# Altium PCB UCL-MB-802154RT-1.PcbDoc (part 1 of 3)
Units mm, origin at the board's own origin, x right, y up, seen from the top; angles counter-clockwise.
Board outline 84 x 112.5 mm, 4 copper layers (Top Layer, GND, VCC, Bottom Layer), stack 1.536 mm thick; 160 components, 166 nets, 807 pads, 398 vias.
Unrouted connection lines stored in the file: 2.
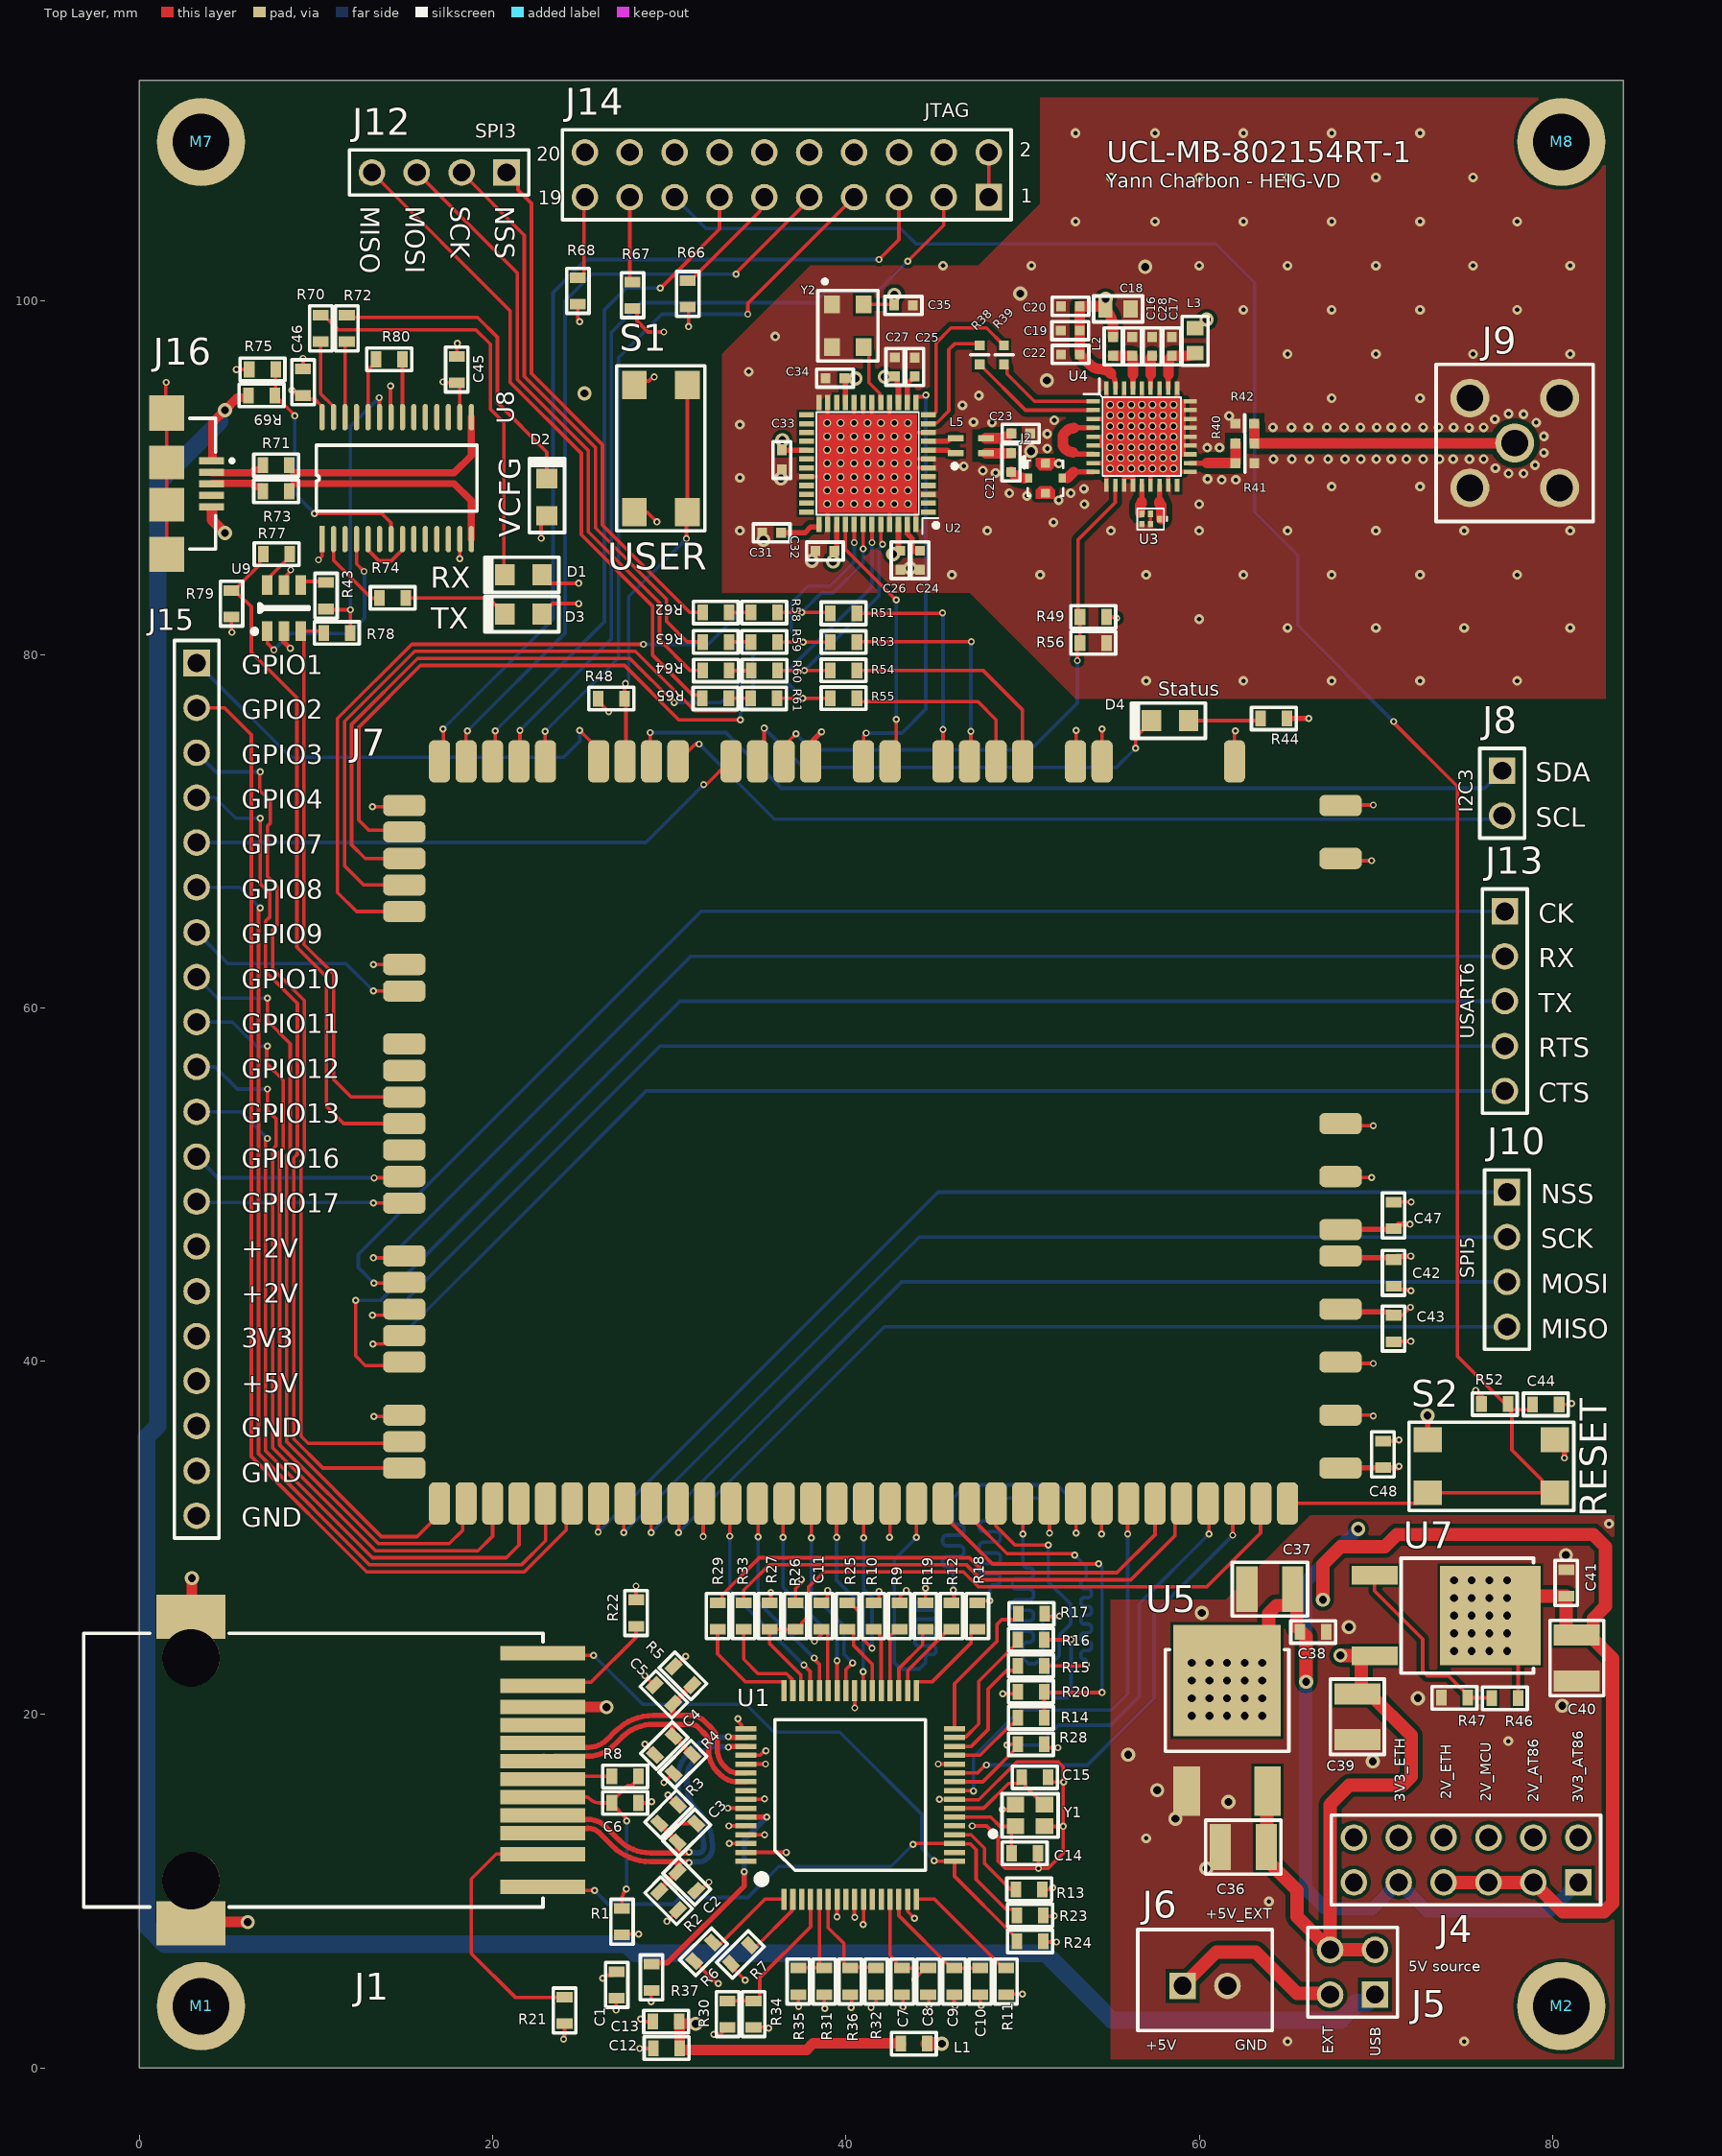
[diagram p0: Top Layer view]
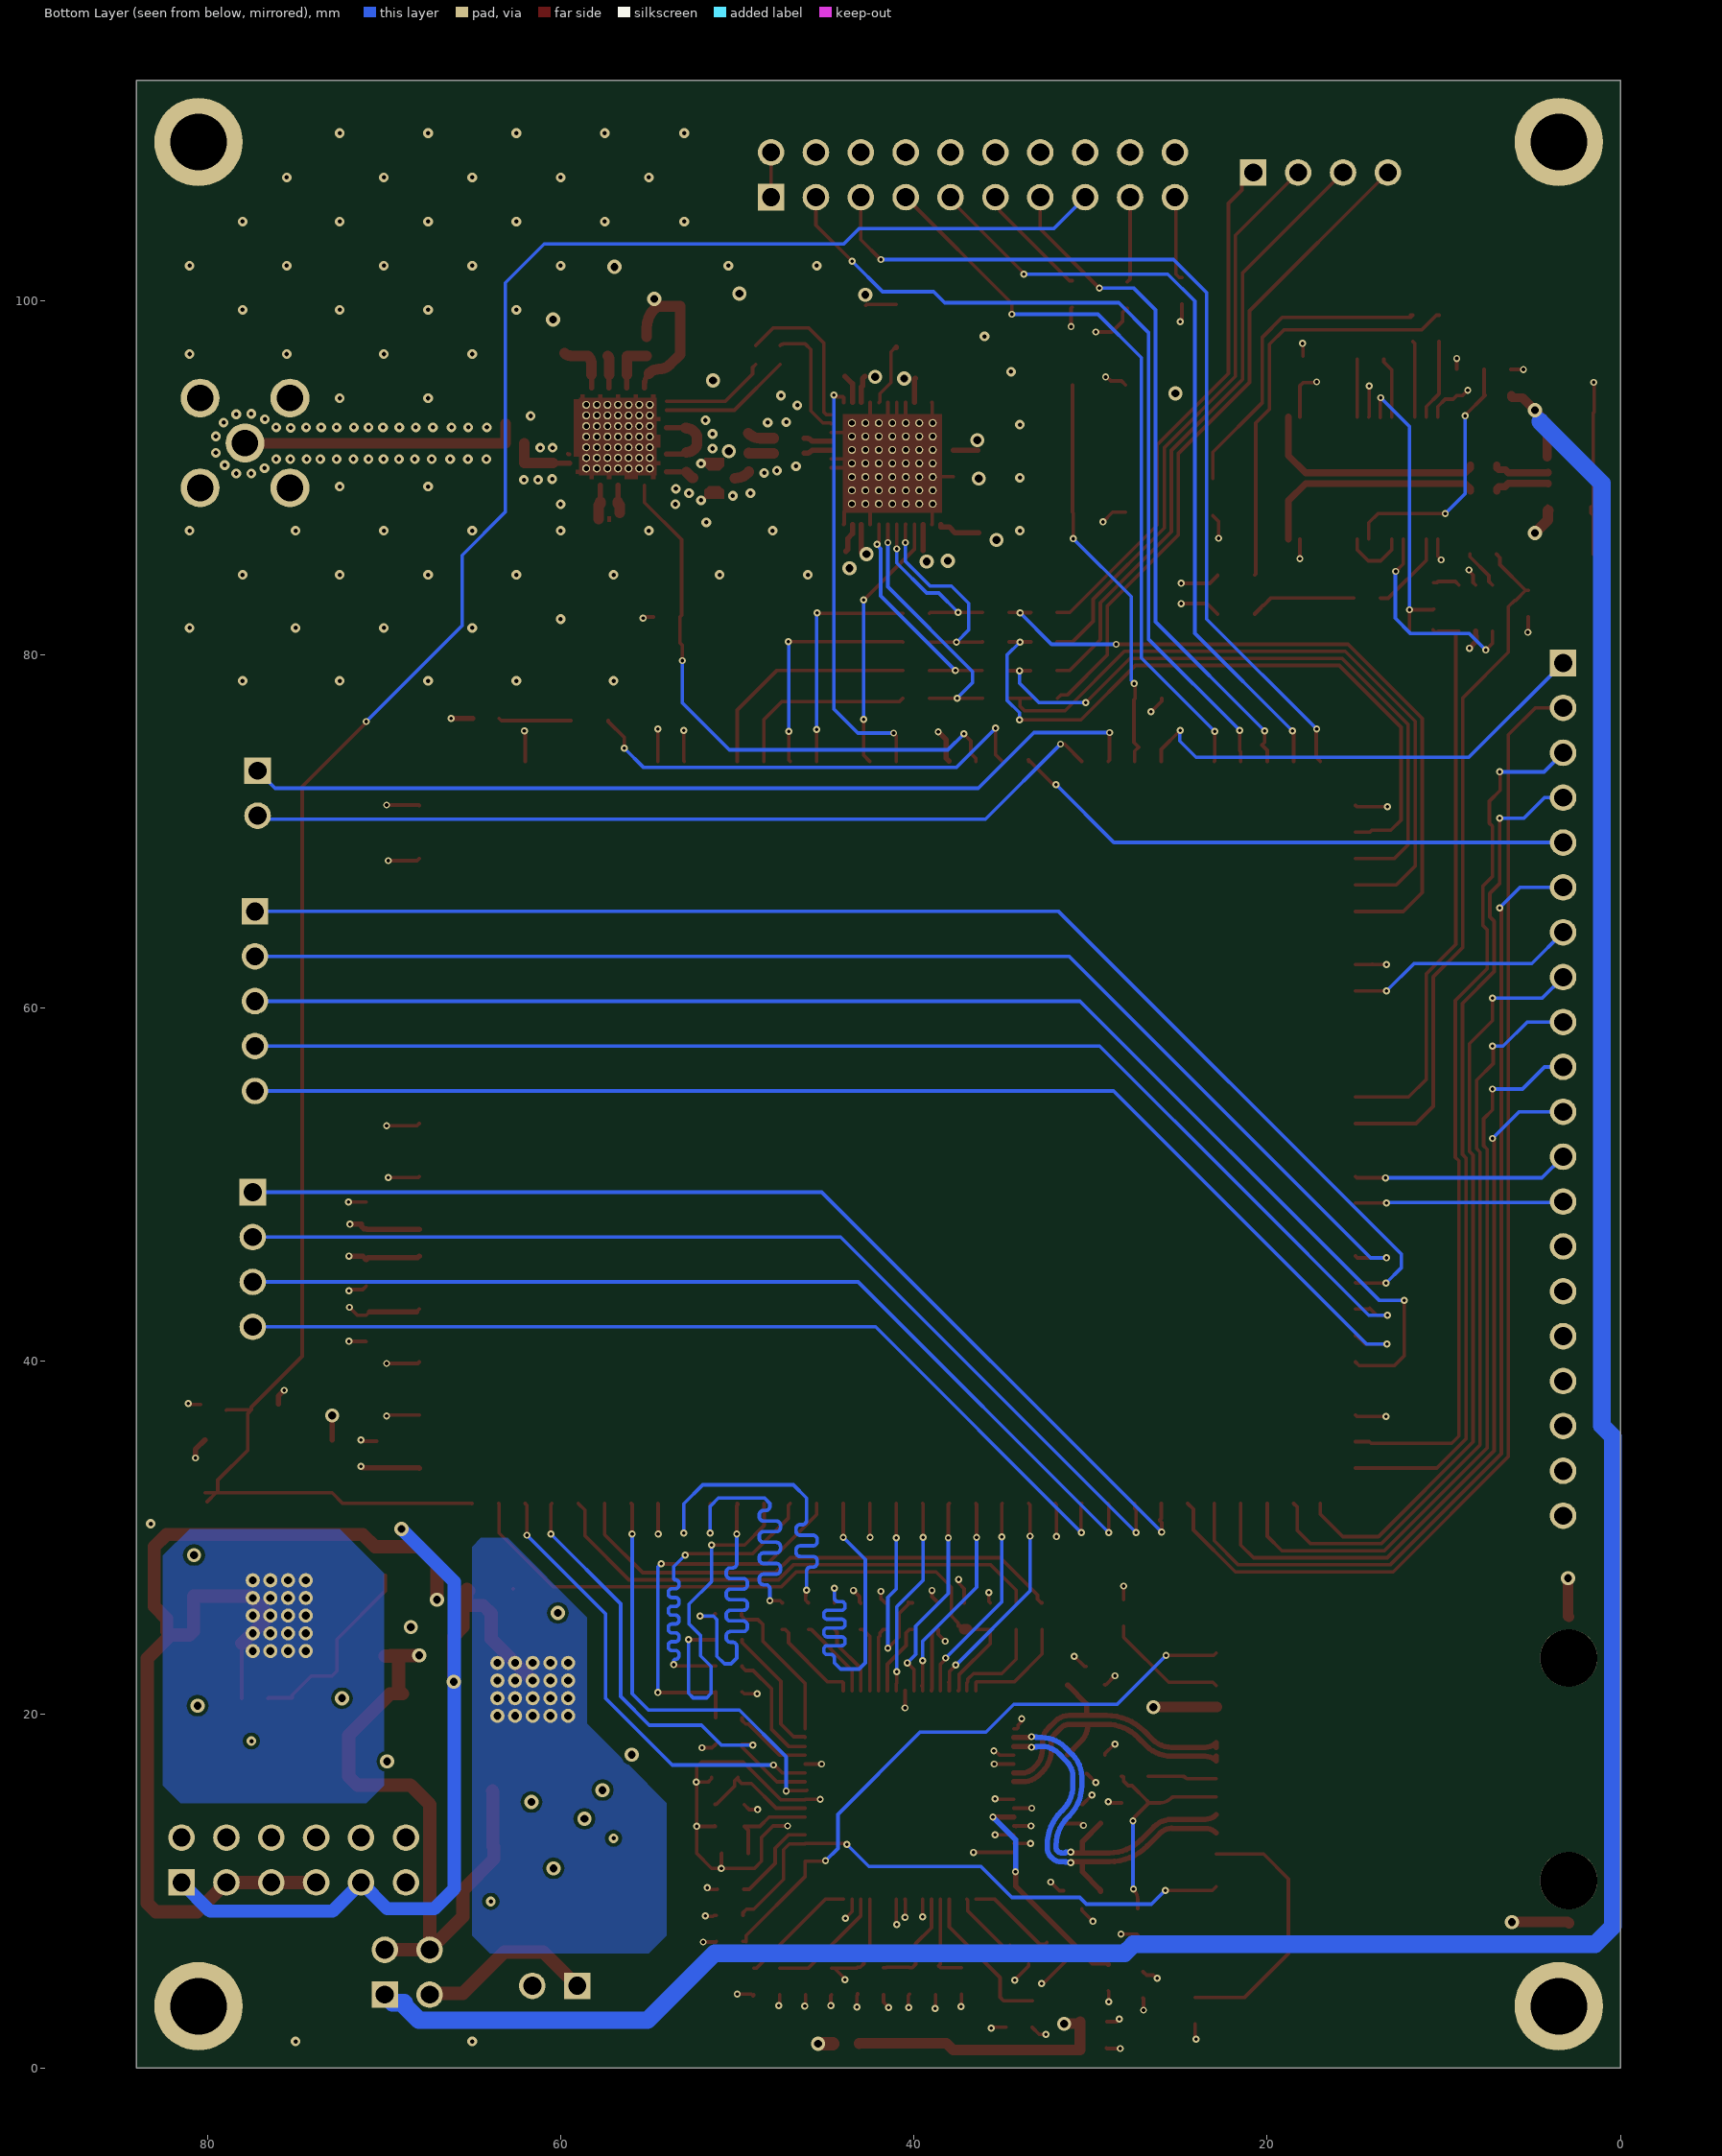
[diagram p1: Bottom Layer view, seen from below]
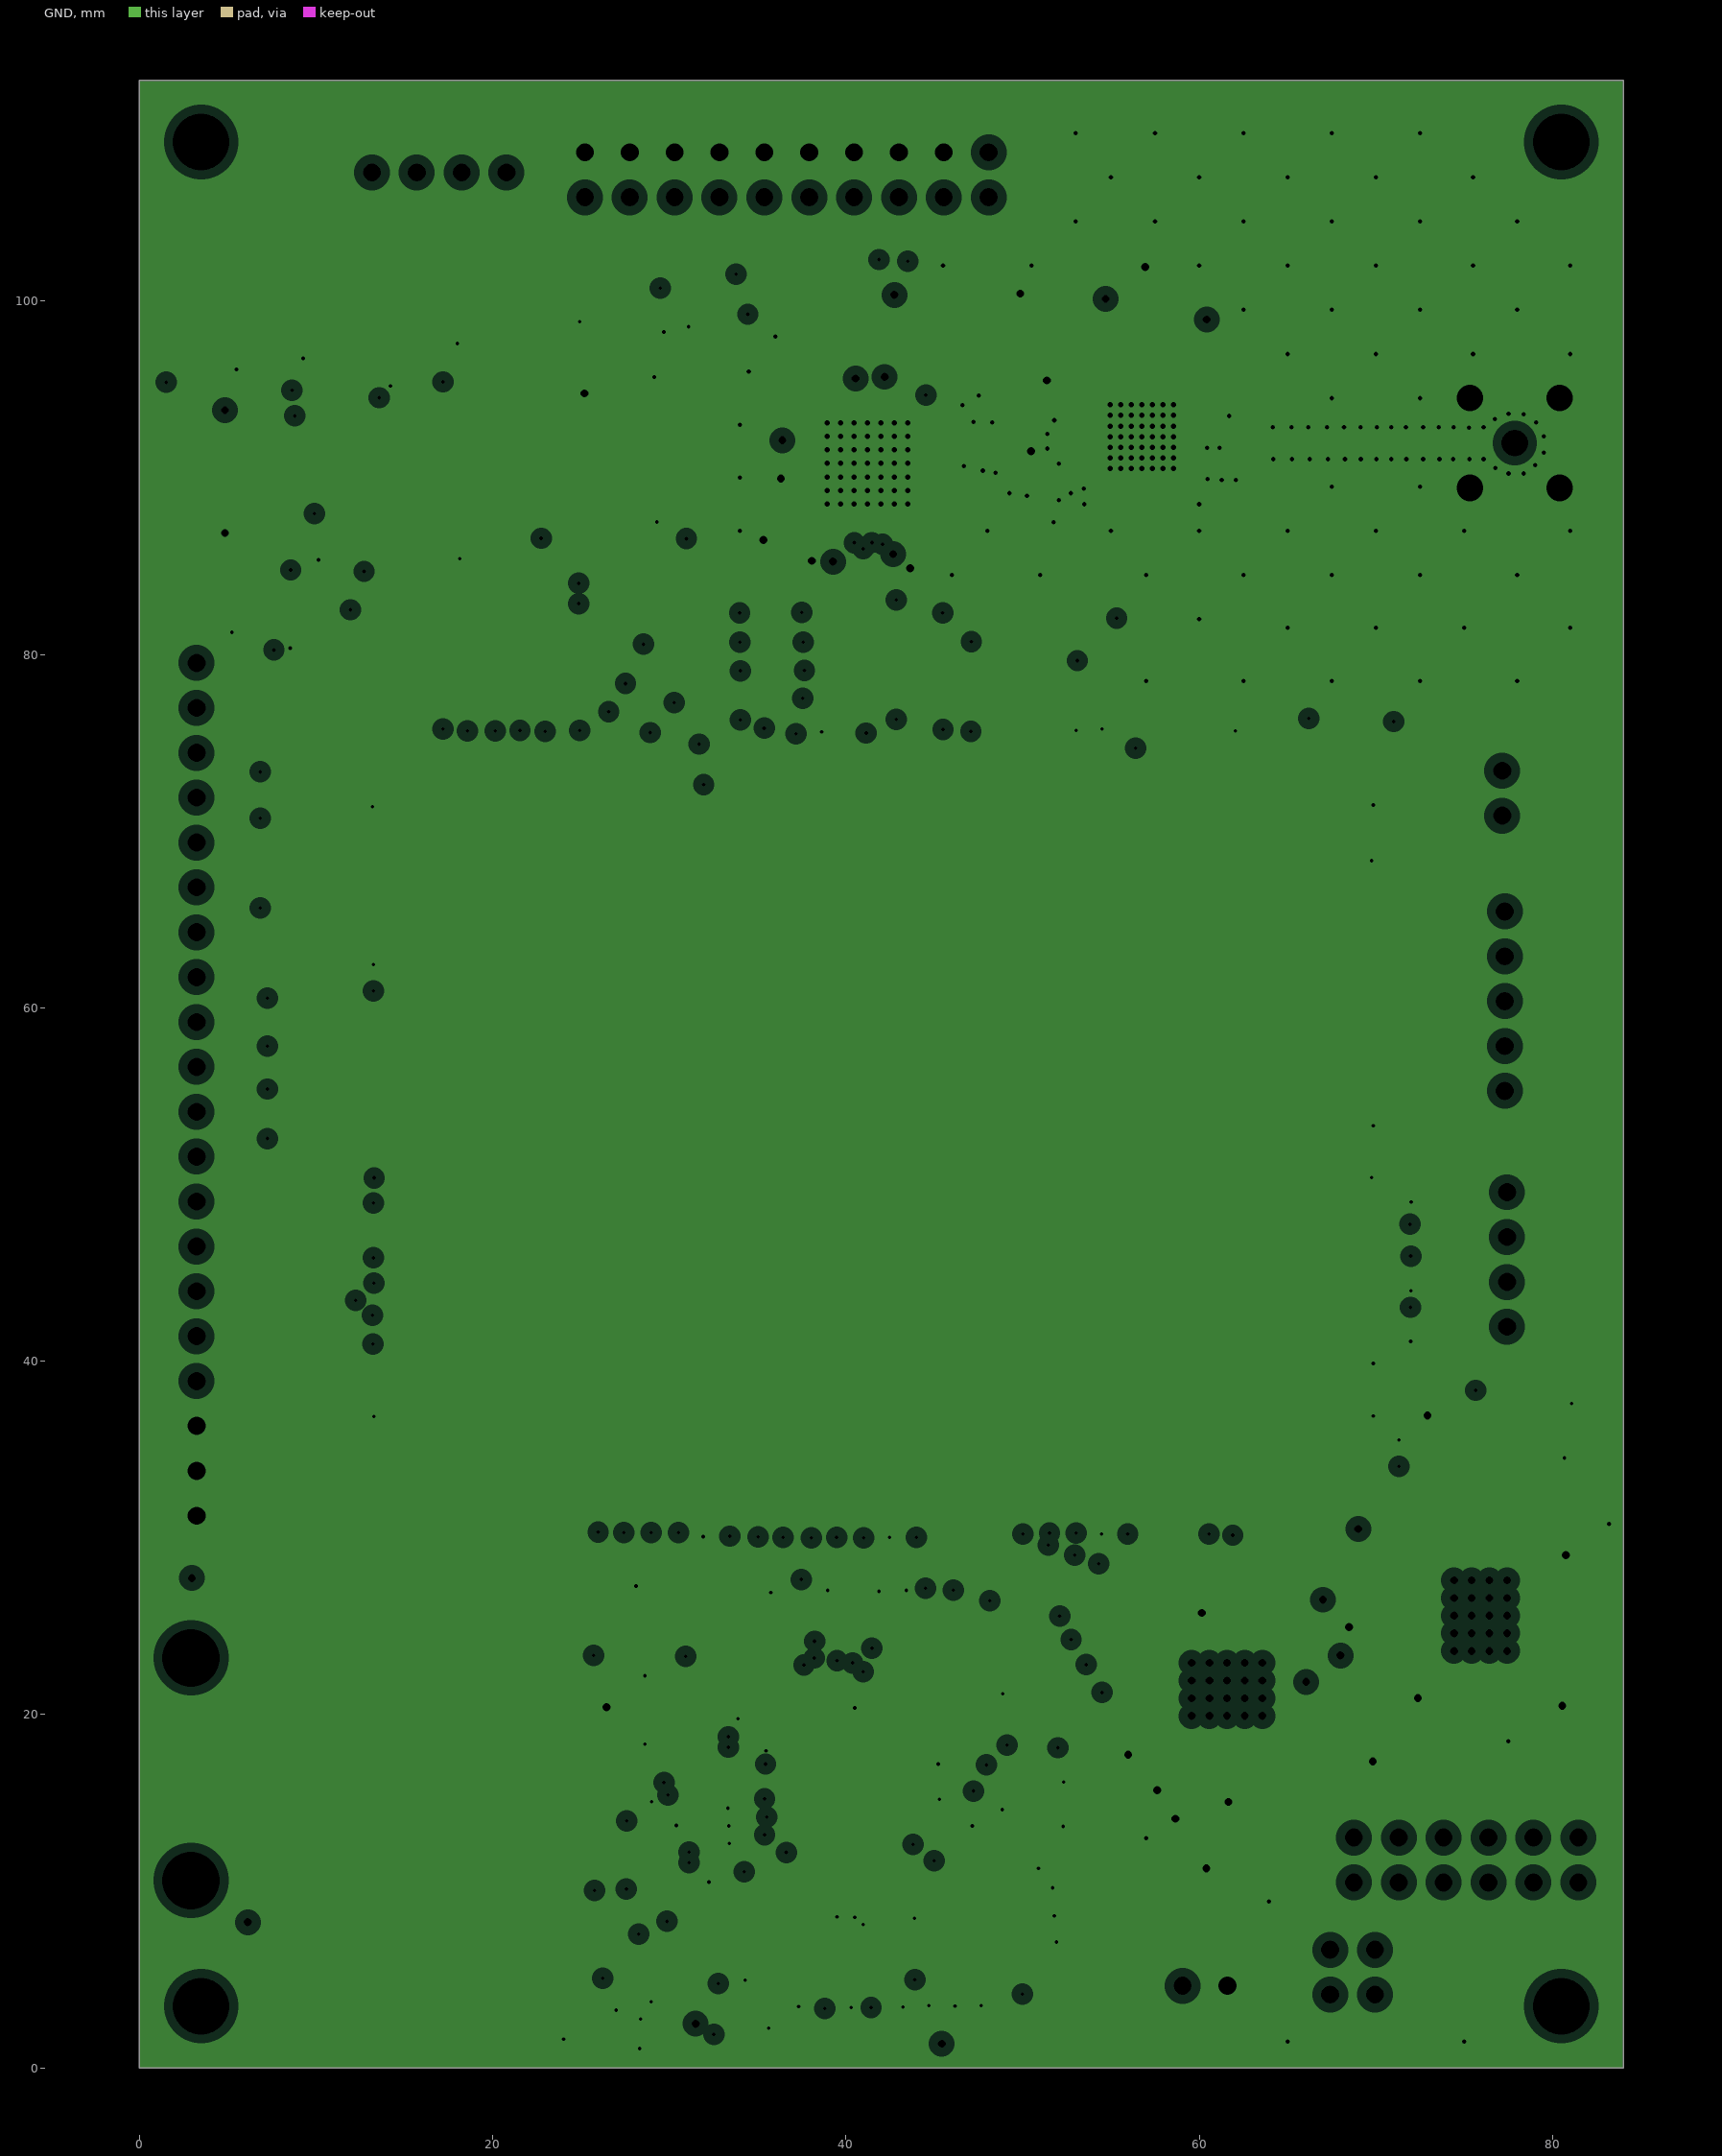
[diagram p2: GND, clearances drawn from the general rule]
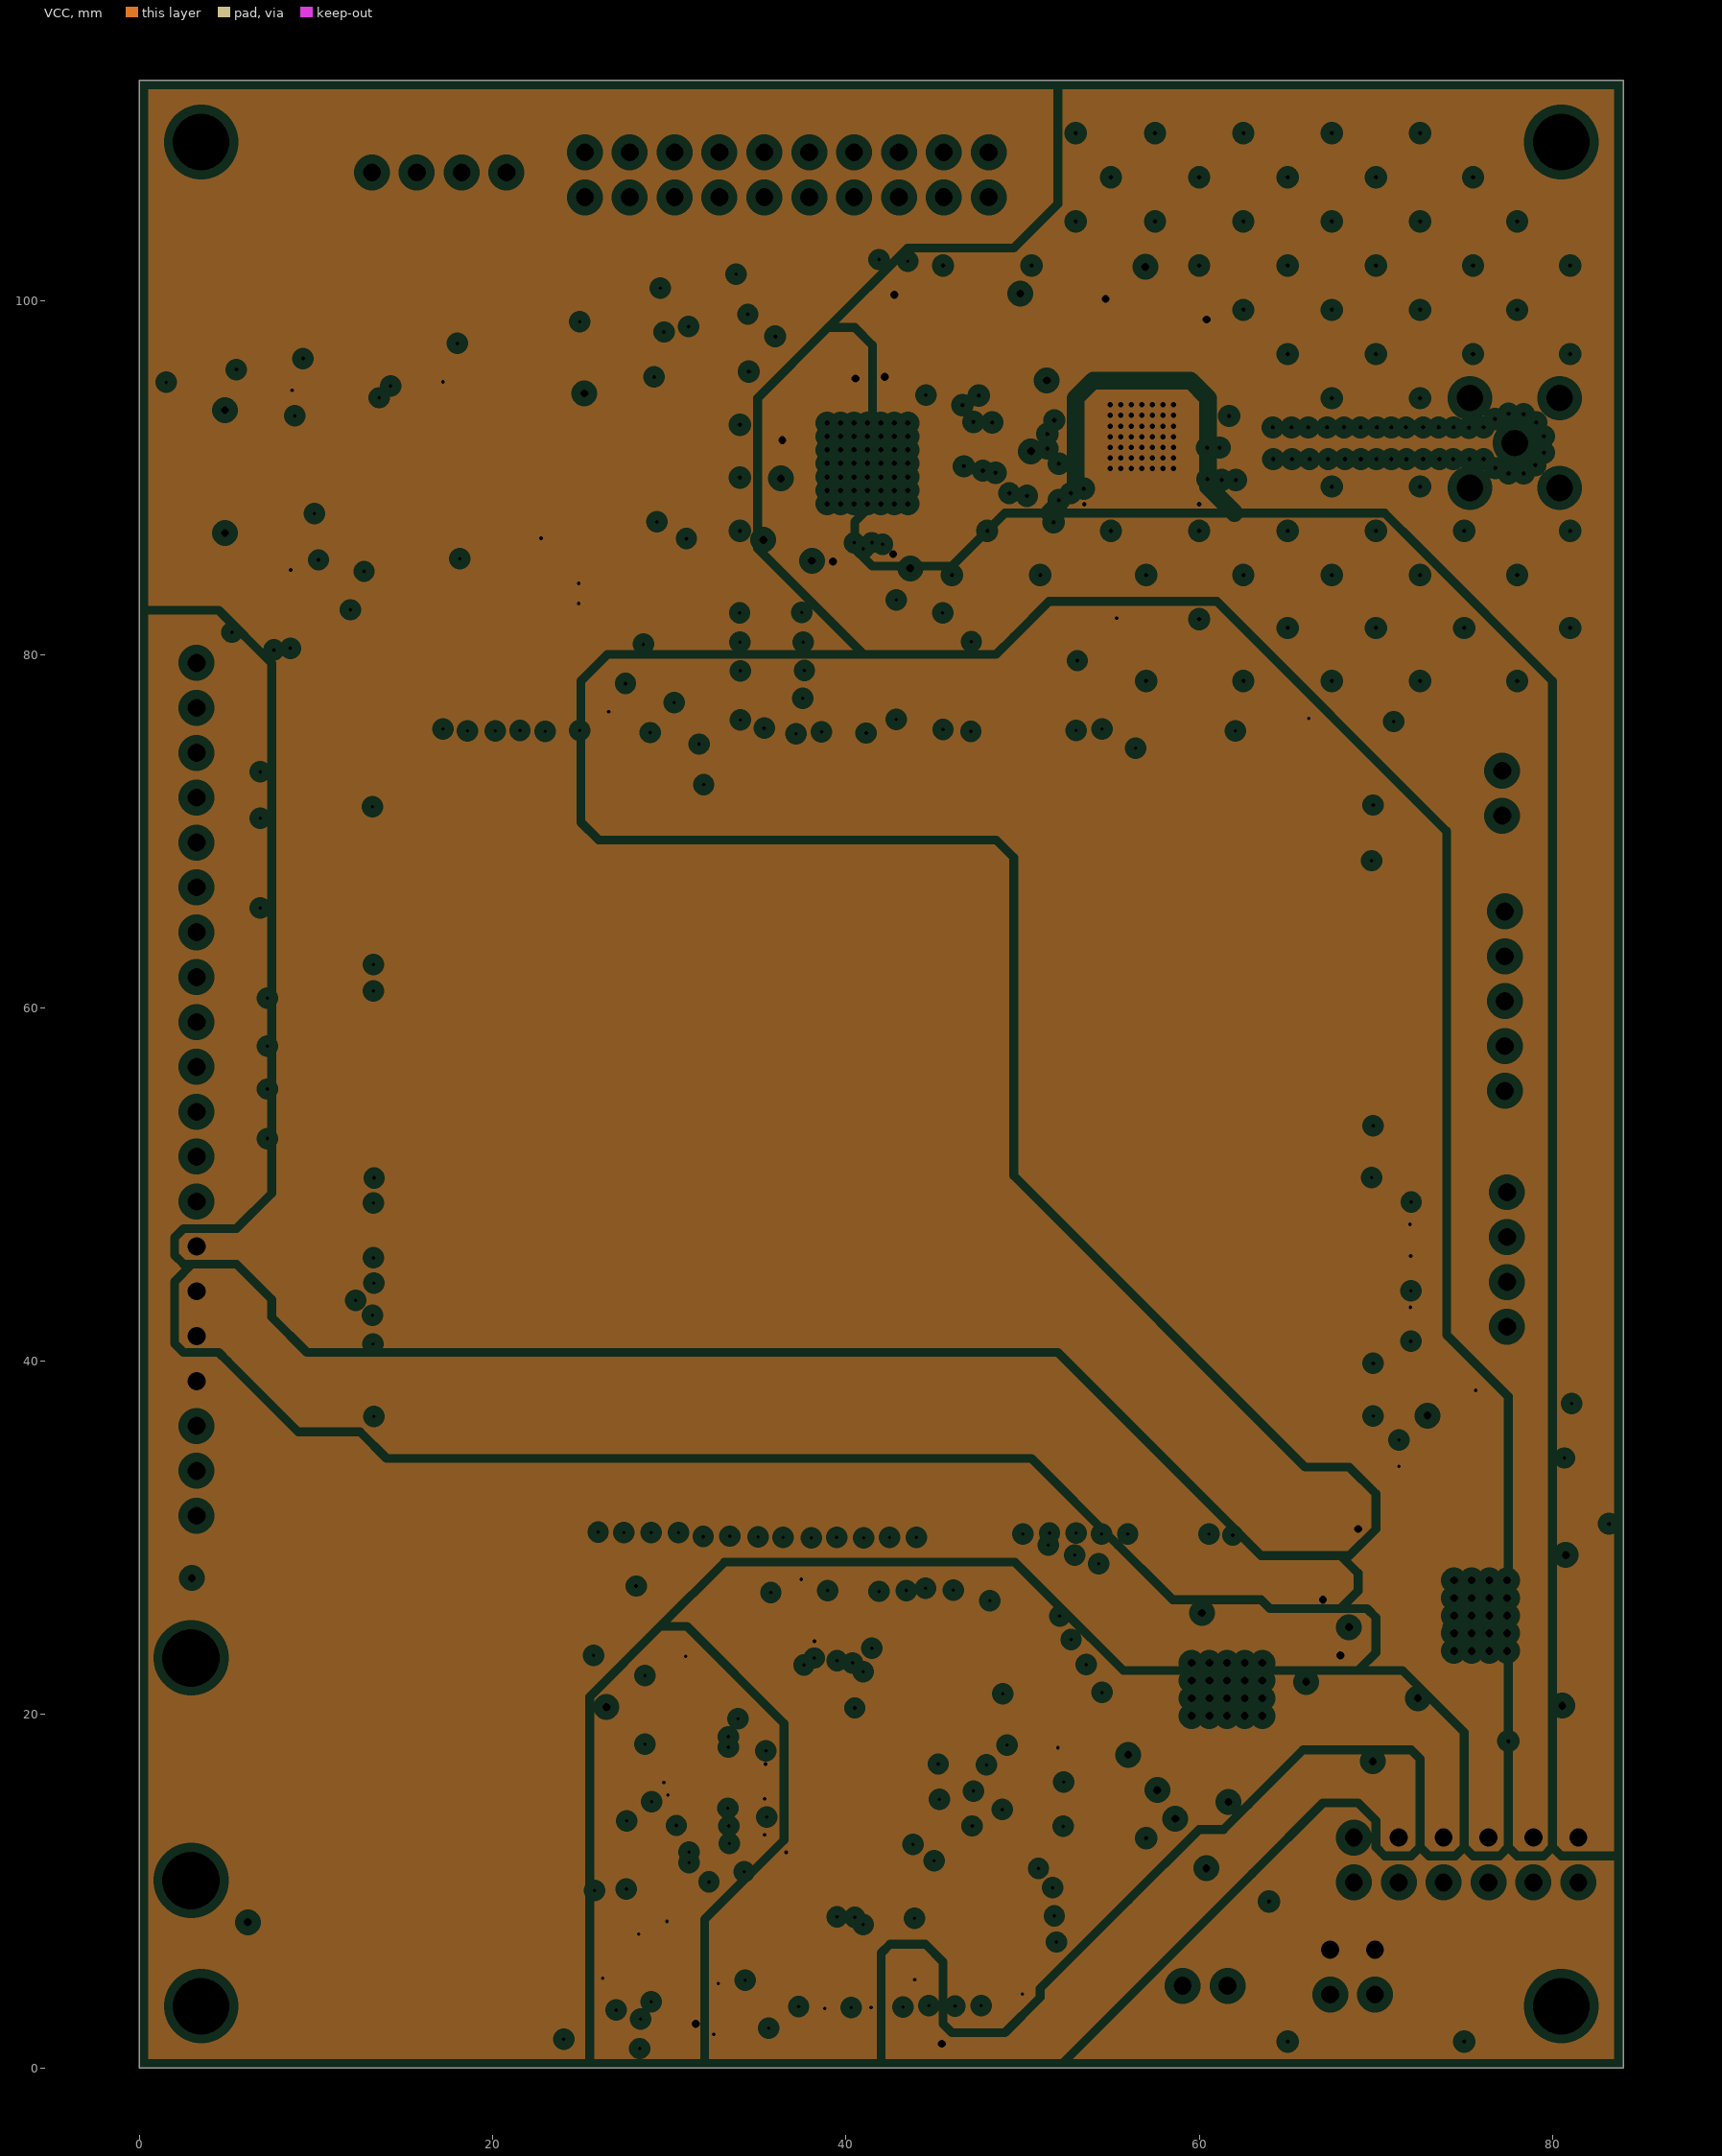
[diagram p3: VCC, clearances drawn from the general rule]

## Layer stack, top to bottom
Top Solder: solder mask 0.0102, Solder Resist, Dk 3.5
Top Layer: signal copper 0.018
Dielectric 2: prepreg 0.18, PR-7628, Dk 4.2
Dielectric 4: prepreg 0.18, PR-7628, Dk 4.2
GND: plane copper 0.035, net GND
Dielectric 1: core 0.71, FR4, Dk 4.5
VCC: plane copper 0.035, net (Multiple Nets)
Dielectric 5: prepreg 0.18, PR-7628, Dk 4.2
Dielectric 3: prepreg 0.18, PR-7628, Dk 4.2
Bottom Layer: signal copper 0.018
Bottom Solder: solder mask 0.0102, Solder Resist, Dk 3.5

## Board outline
0,0 84,0 84,112.5 0,112.5
